# Altium PCB PCB SOM AM625.PcbDoc (part 6 of 6)
Units mm, origin at the board's own origin, x right, y up, seen from the top; angles counter-clockwise.
Board outline 92 x 91 mm, 6 copper layers (Top Layer, Layer 1, Layer 3, Layer 4, Layer 2, Bottom Layer), stack 1.56 mm thick; 479 components, 370 nets, 1722 pads, 744 vias.
Unrouted connection lines stored in the file: 13.
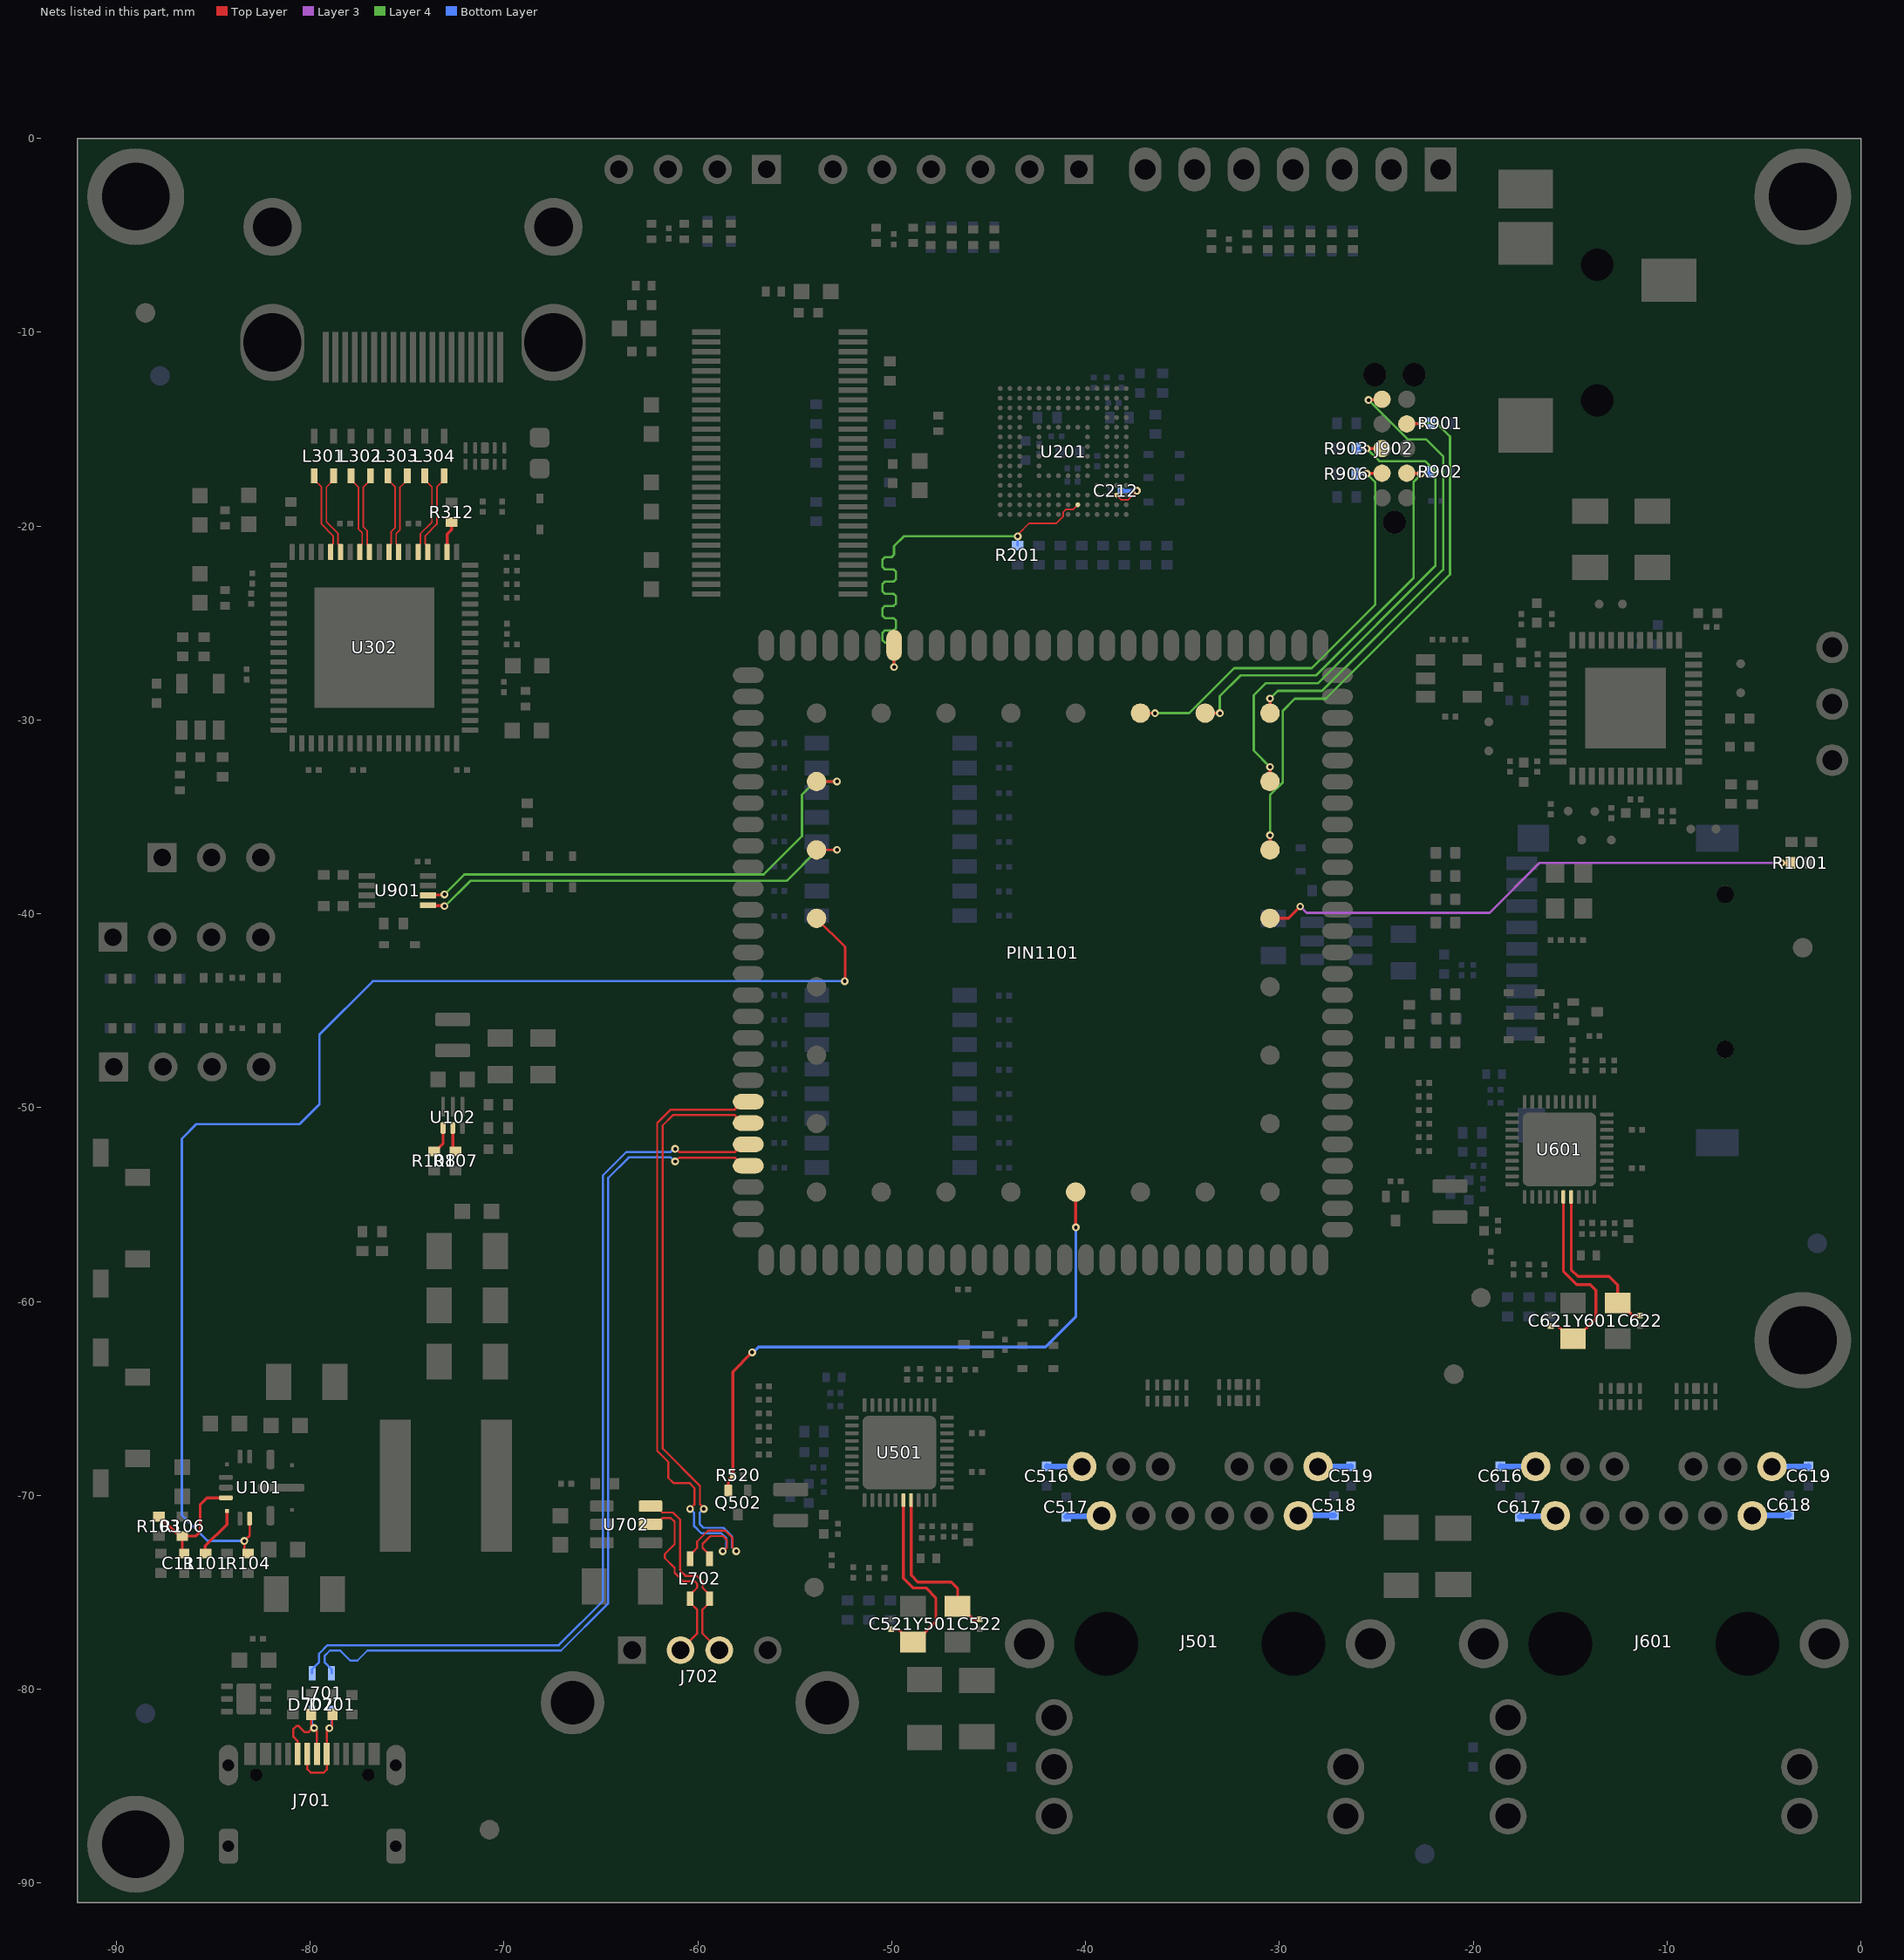
[diagram p10: the nets of this part, all layers, seen from the top]

## Via types
v1: diameter 0.4, hole 0.2, Top Layer to Bottom Layer, tented both sides, 699 vias
v2: diameter 0.8, hole 0.4, Top Layer to Bottom Layer, tented both sides, 41 vias
v3: diameter 0.6, hole 0.3, Top Layer to Bottom Layer, tented both sides, 4 vias

## Nets (pads, with @x,y where several pads share a name; then routed paths per layer and width w, separated by ;. In a path a pad name is that pad's centre, name@x,y a point inside that pad or via, vN(x,y) a via of type N, cw(c..) or ccw(c..) an arc to the next point about the centre after c; other vN are vias at no path point) (continued)
SOC_MMC0_DAT7: PIN1101.61 R201.1 U201.B6 | length 22.6
  Top Layer w0.08: v1(-43.5,-20.525) -43.5,-20.45 -42.907,-19.857 -41.51,-19.857 -41.148,-19.494 -41.148,-19.273 -41.02,-19.145 -40.645,-19.145 U201.B6@-40.4,-18.9
  Top Layer w0.15: v1(-49.879,-27.271) PIN1101.61@-49.879,-26.15
  Layer 4 w0.122: v1(-49.879,-27.271) -49.879,-26.198 -49.879,-26.137 -50.005,-26.011 -50.347,-26.011 -50.473,-25.885 -50.473,-25.507 -50.347,-25.381 -49.901,-25.381 -49.775,-25.255 -49.775,-24.877 -49.901,-24.751 -50.347,-24.751 -50.473,-24.625 -50.473,-24.247 -50.347,-24.121 -49.901,-24.121 -49.775,-23.995 -49.775,-23.617 -49.901,-23.491 -50.347,-23.491 -50.473,-23.365 -50.473,-22.987 -50.347,-22.861 -49.901,-22.861 -49.775,-22.735 -49.775,-22.357 -49.901,-22.231 -50.347,-22.231 -50.473,-22.105 -50.473,-21.727 -50.347,-21.601 -50.005,-21.601 -49.879,-21.475 -49.879,-21.137 -49.879,-21.029 -49.375,-20.525 v1(-43.5,-20.525)
  Bottom Layer w0.107: R201.1@-43.5,-21 v1(-43.5,-20.525)
SoC_TCK: J902.4 PIN1101.125 R901.1 | length 29
  Top Layer w0.15: PIN1101.125@-30.485,-36.705 PIN1101.125@-30.485,-36.705 -30.483,-35.954 v1(-30.482,-35.952) ; J902.4@-23.43,-14.73 -23.415,-14.715 -22.815,-14.715 v1@-22.8,-14.7
  Layer 4 w0.122: v1(-30.482,-35.952) -30.482,-33.882 -29.825,-33.225 -29.825,-29.525 -29.2,-28.9 -27.6,-28.9 -21.2,-22.5 -21.2,-15.375 -21.875,-14.7 v1(-22.67,-14.7)
  Bottom Layer w0.15: v1(-22.67,-14.7) R901.1@-22.2,-14.7
SoC_TDI: J902.8 PIN1101.124 R903.1 | length 27.2
  Top Layer w0.15: PIN1101.124@-30.485,-33.176 -30.483,-33.174 -30.483,-32.425 v1(-30.482,-32.423) ; v1(-25.5,-16) J902.8@-24.7,-16
  Layer 4 w0.122: v1(-30.482,-32.423) -31.325,-31.58 -31.325,-28.725 -30.7,-28.1 -28,-28.1 -21.95,-22.05 -21.95,-17.175 -22.475,-16.65 -24.85,-16.65 v1(-25.5,-16)
  Bottom Layer w0.15: R903.1@-26.03,-16 v1(-25.5,-16)
SoC_TDO: J902.6 PIN1101.123 | length 24.1
  Top Layer w0.15: PIN1101.123@-30.485,-29.647 PIN1101.123@-30.485,-29.647 -30.483,-28.896 v1(-30.482,-28.894) ; v1(-25.4,-13.5) -25.38,-13.48 -24.72,-13.48 J902.6@-24.7,-13.46
  Layer 4 w0.122: v1(-30.482,-28.894) -30.088,-28.5 -27.8,-28.5 -21.55,-22.25 -21.55,-16.4 -22.425,-15.525 -23.375,-15.525 v1(-25.4,-13.5)
SoC_TMS: J902.2 PIN1101.122 R902.1 | length 21
  Top Layer w0.15: PIN1101.122@-33.827,-29.647 -33.825,-29.648 -33.076,-29.648 v1(-33.074,-29.65) ; J902.2@-23.43,-17.27 -23.415,-17.285 -22.715,-17.285 v1(-22.7,-17.3)
  Layer 4 w0.122: v1(-33.074,-29.65) -33.074,-28.774 -32,-27.7 -28.1,-27.7 -23.075,-22.675 -23.075,-17.716 -22.7,-17.341 v1(-22.7,-17.3)
  Bottom Layer w0.15: v1(-22.7,-17.3) -22.3,-17.3 R902.1@-22.2,-17.2
SoC_TRST#: J902.9 PIN1101.121 R906.2 | length 22.7
  Top Layer w0.15: PIN1101.121@-37.169,-29.647 -37.167,-29.648 -36.418,-29.648 v1(-36.416,-29.65) ; v1(-25.5,-17.3) -25.485,-17.285 -24.715,-17.285 J902.9@-24.7,-17.27
  Layer 4 w0.122: v1(-36.416,-29.65) -34.65,-29.65 -32.325,-27.325 -28.325,-27.325 -25.05,-24.05 -25.05,-17.75 v1(-25.5,-17.3)
  Bottom Layer w0.15: R906.2@-26.03,-17.3 v1(-25.5,-17.3)
SWING: R312.1 U302.56 | length 1.6
  Top Layer w0.15: U302.56@-72.939,-21.334 -72.939,-20.409 -72.714,-20.184 R312.1@-72.714,-19.784
TCT1_0: C516.1 J501.12 | length 1.8
  Bottom Layer w0.3: C516.1@-42,-68.5 -41.993,-68.507 -40.202,-68.507 J501.12@-40.196,-68.513
TCT1_1: C517.1 J501.6 | length 1.8
  Bottom Layer w0.3: C517.1@-41,-71.1 -40.976,-71.076 -39.203,-71.076 J501.6@-39.18,-71.053
TCT1_2: C518.1 J501.1 | length 1.9
  Bottom Layer w0.3: J501.1@-29.02,-71.053 -29.006,-71.039 -27.189,-71.039 C518.1@-27.175,-71.025
TCT1_3: C519.1 J501.7 | length 1.7
  Bottom Layer w0.3: J501.7@-28.004,-68.513 -27.997,-68.507 -26.307,-68.507 C519.1@-26.3,-68.5
TCT2_0: C616.1 J601.12 | length 1.8
  Bottom Layer w0.3: C616.1@-18.6,-68.5 -18.594,-68.507 -16.784,-68.507 J601.12@-16.778,-68.513
TCT2_1: C617.1 J601.6 | length 1.9
  Bottom Layer w0.3: C617.1@-17.6,-71.1 -17.577,-71.076 -15.785,-71.076 J601.6@-15.762,-71.053
TCT2_2: C618.1 J601.1 | length 1.9
  Bottom Layer w0.3: J601.1@-5.602,-71.053 -5.575,-71.027 -3.727,-71.027 C618.1@-3.7,-71
TCT2_3: C619.1 J601.7 | length 1.9
  Bottom Layer w0.3: J601.7@-4.586,-68.513 -4.579,-68.507 -2.706,-68.507 C619.1@-2.7,-68.5
TS_INT: PIN1101.133 Q502.2 R520.1 | length 31.5
  Top Layer w0.15: Q502.2@-58.43,-69.75 -58.43,-69.21 ; -58.425,-69.21 R520.1@-58.19,-68.975 ; R520.1@-58.195,-68.97 -58.195,-63.62 v1(-57.2,-62.625) ; PIN1101.133@-40.511,-54.35 -40.505,-54.355 -40.505,-56.17 v1(-40.5,-56.175)
  Bottom Layer w0.15: v1(-57.2,-62.625) -57.149,-62.625 -56.874,-62.35 -42.075,-62.35 -40.5,-60.775 v1(-40.5,-56.175)
TX0_N: L303.4 U302.61 | length 4.2
  Top Layer w0.084: U302.61@-75.439,-21.334 -75.439,-21.049 -75.562,-20.927 -75.562,-20.378 -75.366,-20.182 -75.366,-19.086 -75.366,-17.991 -74.989,-17.614 L303.4@-74.989,-17.412
TX0_P: L303.1 U302.62 | length 4.2
  Top Layer w0.084: L303.1@-75.989,-17.412 -75.989,-17.614 -75.62,-17.984 -75.62,-20.077 -75.816,-20.273 -75.816,-20.926 -75.939,-21.049 U302.62@-75.939,-21.334
TX1_N: L302.4 U302.64 | length 4.2
  Top Layer w0.084: U302.64@-76.939,-21.334 -76.939,-21.049 -77.063,-20.926 -77.063,-20.242 -77.26,-20.044 -77.26,-17.985 -76.89,-17.614 L302.4@-76.89,-17.412
TX1_P: L302.1 U302.65 | length 4.2
  Top Layer w0.084: L302.1@-77.889,-17.412 -77.889,-17.614 -77.514,-17.989 -77.514,-20.149 -77.317,-20.347 -77.317,-20.927 -77.439,-21.049 U302.65@-77.439,-21.334
TX2_N: L301.4 U302.67 | length 4.4
  Top Layer w0.084: L301.4@-78.789,-17.412 -78.789,-17.614 -79.167,-17.992 -79.167,-19.79 -78.565,-20.392 -78.565,-20.924 -78.439,-21.049 U302.67@-78.439,-21.334
TX2_P: L301.1 U302.68 | length 4.4
  Top Layer w0.084: L301.1@-79.789,-17.412 -79.789,-17.614 -79.421,-17.983 -79.421,-19.895 -78.819,-20.497 -78.819,-20.928 -78.939,-21.049 U302.68@-78.939,-21.334
TXC_N: L304.4 U302.58 | length 4.4
  Top Layer w0.084: U302.58@-73.939,-21.334 -73.939,-21.049 -74.063,-20.926 -74.063,-20.499 -73.465,-19.902 -73.465,-18.946 -73.465,-17.99 -73.09,-17.614 L304.4@-73.09,-17.412
TXC_P: L304.1 U302.59 | length 4.4
  Top Layer w0.084: U302.59@-74.439,-21.334 -74.439,-21.049 -74.317,-20.926 -74.317,-20.394 -73.719,-19.796 -73.719,-17.985 -74.089,-17.614 L304.1@-74.089,-17.412
UART0_RX: PIN1101.115 U901.6 | length 25.8
  Top Layer w0.122: PIN1101.115@-53.878,-33.176 v1@-52.826,-33.176
  Top Layer w0.15: U901.6@-73.924,-39.05 -73.899,-39.025 -73.1,-39.025 v1(-73.075,-39)
  Layer 4 w0.122: v1(-73.075,-39) -72.05,-37.975 -56.6,-37.975 -54.625,-36 -54.625,-33.85 -53.95,-33.175 v1(-52.825,-33.175)
UART0_TX: PIN1101.114 U901.5 | length 23.4
  Top Layer w0.122: PIN1101.114@-53.879,-36.705 -53.876,-36.702 -52.827,-36.702 v1(-52.825,-36.7)
  Top Layer w0.15: U901.5@-73.924,-39.55 -73.899,-39.575 -73.1,-39.575 v1(-73.075,-39.6) v1@-73.025,-39.6
  Layer 4 w0.122: v1(-73.075,-39.6) -73.04,-39.6 -71.74,-38.3 -55.425,-38.3 -53.825,-36.7 v1(-52.825,-36.7)
USB0_N: L701.3 PIN1101.32 | length 47.2
  Top Layer w0.109: v1(-61.175,-52.125) -61.141,-52.125 -60.966,-52.3 -58.101,-52.3 -57.695,-51.894 PIN1101.32@-57.4,-51.894
  Bottom Layer w0.109: L701.3@-79.9,-79.173 -79.9,-78.97 -79.54,-78.609 -79.54,-78.165 -79.102,-77.727 -67.177,-77.727 -64.9,-75.45 -64.9,-53.5 -63.685,-52.285 -61.409,-52.285 -61.249,-52.125 v1(-61.175,-52.125)
USB0_P: L701.2 PIN1101.31 | length 47.2
  Top Layer w0.109: v1(-61.175,-52.775) -61.161,-52.775 -60.966,-52.579 -58.098,-52.579 -57.683,-52.994 PIN1101.31@-57.4,-52.994
  Bottom Layer w0.109: L701.2@-78.9,-79.173 -78.9,-78.97 -79.26,-78.609 -79.26,-78.28 -78.987,-78.007 -78.45,-78.007 -77.932,-78.525 -77.568,-78.525 -77.05,-78.007 -67.062,-78.007 -64.621,-75.566 -64.621,-53.616 -63.57,-52.565 -61.409,-52.565 -61.199,-52.775 v1(-61.175,-52.775)
USB1_N: L702.4 PIN1101.33 | length 33.2
  Top Layer w0.109: L702.4@-60.4,-73.273 -60.4,-73.07 -60.28,-72.95 -60.04,-72.71 -60.04,-72.384 -59.476,-71.821 -58.584,-71.821 -58.302,-72.102 -58.221,-72.184 -58.221,-72.679 v1@-58,-72.9 ; v1(-59.7,-70.7) -59.7,-70.655 -59.896,-70.46 -59.896,-69.509 -61.821,-67.584 -61.821,-50.916 -61.289,-50.384 -58.097,-50.384 -57.686,-50.794 PIN1101.33@-57.4,-50.794
  Bottom Layer w0.109: v1(-59.7,-70.7) -59.91,-70.91 -59.91,-71.475 -59.71,-71.675 -58.68,-71.675 -58.25,-72.105 -58.25,-72.673 -58.039,-72.885 v1(-58.022,-72.885)
USB1_P: L702.1 PIN1101.34 | length 33.2
  Top Layer w0.109: v1(-60.4,-70.7) -60.4,-70.691 -60.175,-70.466 -60.175,-69.625 -60.437,-69.362 -61.262,-69.362 -61.525,-69.1 -61.525,-68.275 -62.1,-67.7 -62.1,-50.8 -61.404,-50.104 -58.097,-50.104 -57.686,-49.694 PIN1101.34@-57.4,-49.694 ; L702.1@-59.4,-73.273 -59.4,-73.07 -59.52,-72.95 -59.76,-72.71 -59.76,-72.5 -59.36,-72.1 -58.7,-72.1 -58.5,-72.3 -58.5,-72.7 v1@-58.7,-72.9
  Bottom Layer w0.109: v1(-60.4,-70.7) -60.19,-70.91 -60.19,-71.591 -59.826,-71.954 -58.796,-71.954 -58.529,-72.221 -58.529,-72.675 -58.722,-72.868 v1(-58.722,-72.885)
USB_A_N: J702.2 L702.3 U702.5 | length 10
  Top Layer w0.109: U702.5@-62.445,-71.5 -62.14,-71.5 -61.906,-71.266 -61.906,-71.24 -61.831,-71.165 -61.4,-71.165 -61.2,-71.365 -61.2,-72.519 -61.707,-73.026 -61.707,-73.239 -61.2,-73.746 -61.2,-73.992 -60.76,-74.432 -60.163,-74.432 -60.04,-74.555 -60.04,-74.764 -60.28,-75.005 -60.4,-75.125 L702.3@-60.4,-75.327 -60.4,-75.53 -60.05,-75.88 -60.05,-77.14 J702.2@-60.9,-77.99
USB_A_P: J702.3 L702.2 U702.6 | length 10.1
  Top Layer w0.109: U702.6@-62.445,-70.55 -62.14,-70.55 -61.906,-70.784 -61.906,-70.81 -61.831,-70.885 -61.284,-70.885 -60.921,-71.249 -60.921,-73.876 -60.644,-74.153 -60.047,-74.153 -59.76,-74.44 -59.76,-74.764 -59.52,-75.005 -59.4,-75.125 L702.2@-59.4,-75.327 -59.4,-75.53 -59.771,-75.901 -59.771,-77.119 J702.3@-58.9,-77.99
USB_C_N: D702.2 J701.A7 J701.B7 L701.4 | length 5.7
  Top Layer w0.109: J701.B7@-80.65,-83.345 -80.655,-83.34 -80.655,-82.67 -80.867,-82.458 -80.867,-82.053 -80.718,-81.904 -80.587,-81.904 -80.271,-82.219 -80.098,-82.219 -79.879,-82 v1(-79.8,-82) ; D702.2@-79.95,-81.3 -79.95,-81.85 v1(-79.8,-82) ; J701.A7@-79.65,-83.345 -79.65,-82.15 v1(-79.8,-82)
  Bottom Layer w0.109: L701.4@-79.9,-81.227 -79.9,-81.821 -79.8,-81.921 v1(-79.8,-82)
USB_C_P: D701.2 J701.A6 J701.B6 L701.1 | length 5.7
  Top Layer w0.109: J701.A6@-80.15,-83.345 -80.15,-84.125 -79.975,-84.3 -79.3,-84.3 -79.141,-84.141 J701.B6@-79.141,-83.354 ; J701.B6@-79.15,-83.345 -79.15,-82.15 v1(-79.012,-82.012) -78.875,-81.875 -78.875,-81.325 D701.2@-78.85,-81.3
  Bottom Layer w0.109: v1(-79.012,-82.012) -79.012,-81.934 -78.9,-81.821 L701.1@-78.9,-81.227
VCC_1V8_EN: R108.1 U102.1 | length 1.4
  Top Layer w0.15: R108.1@-73.6,-52.25 -73.55,-52.25 -73.145,-51.845 U102.1@-73.145,-51.052
VCC_3V3_FB: C111.2 R103.1 R106.2 U101.4 | length 6.4
  Top Layer w0.15: R103.1@-87.8,-71.1 -87.75,-71.1 -86.925,-71.925 -86.775,-71.925 R106.2@-86.6,-72.1 ; C111.2@-86.6,-73 R106.2@-86.6,-72.1 ; U101.4@-84.35,-70.125 -85.325,-70.125 -85.675,-70.475 -85.675,-71.875 -85.9,-72.1 R106.2@-86.6,-72.1
VCC_5V0_EN: PIN1101.113 R104.1 U101.7 | length 68.7
  Top Layer w0.122: R104.1@-83.2,-73 -83.211,-73 -83.4,-72.811 v1(-83.4,-72.35) -83.125,-72.075 U101.7@-83.125,-71.2 ; PIN1101.113@-53.879,-40.234 -52.4,-41.713 -52.4,-43.45 v1(-52.425,-43.475)
  Bottom Layer w0.122: v1(-83.4,-72.35) -85.3,-72.35 -86.625,-71.025 -86.625,-51.6 -85.875,-50.85 -80.55,-50.85 -79.525,-49.825 -79.525,-46.225 -76.775,-43.475 v1(-52.425,-43.475)
VDD_1V8_PG: R107.1 U102.2 | length 1.3
  Top Layer w0.15: U102.2@-72.645,-51.052 -72.645,-52.105 R107.1@-72.5,-52.25
VDD_3V3_PG: R101.1 U101.5 | length 2.7
  Top Layer w0.15: R101.1@-85.5,-73 -85.413,-72.913 -85.413,-72.613 -84.3,-71.5 U101.5@-84.3,-70.8
VDDI: C212.1 U201.C2 | length 2.2
  Top Layer w0.08: U201.C2@-38.4,-18.4 -38.15,-18.65 -37.804,-18.65 -37.35,-18.196 v1(-37.35,-18.175)
  Bottom Layer w0.2: C212.1@-38.185,-18.175 v1(-37.35,-18.175)
WKUP_CLKOUT0: PIN1101.126 R1001.2 | length 28.3
  Top Layer w0.15: PIN1101.126@-30.485,-40.234 -29.534,-40.234 v1(-28.925,-39.625) ; v1(-4.1,-37.375) R1001.2@-3.625,-37.375
  Layer 3 w0.122: v1(-28.925,-39.625) -28.6,-39.95 -19.15,-39.95 -16.575,-37.375 v1(-4.1,-37.375)
XTAL_IN_GBE1: C521.1 U501.36 Y501.1 | length 10.4
  Top Layer w0.15: C521.1@-50.025,-76.915 -49.65,-76.915 -49.486,-77.079 -49.486,-77.117 -49.027,-77.575 -48.9,-77.575 -48.773,-77.575 -47.725,-76.527 -47.725,-75.275 -48.225,-74.775 -48.9,-74.775 -49.4,-74.275 U501.36@-49.4,-70.25
XTAL_IN_GBE2: C621.1 U601.36 Y601.1 | length 10.4
  Top Layer w0.15: C621.1@-16,-61.265 -15.637,-61.265 -14.977,-61.925 Y601.1@-14.85,-61.925 -14.723,-61.925 -13.68,-60.882 -13.67,-60.882 -13.67,-59.43 -13.97,-59.13 -14.67,-59.13 -15.345,-58.455 U601.36@-15.345,-54.605
XTAL_OUT_GBE1: C522.1 U501.37 Y501.3 | length 8.9
  Top Layer w0.15: U501.37@-49,-70.25 -49,-74.125 -48.65,-74.475 -46.925,-74.475 -46.6,-74.8 -46.6,-75.725 -46.141,-76.183 -46.004,-76.183 -45.803,-76.385 C522.1@-45.45,-76.385
XTAL_OUT_GBE2: C622.1 U601.37 Y601.3 | length 8.8
  Top Layer w0.15: U601.37@-14.945,-54.605 -14.945,-58.355 -14.6,-58.7 -13,-58.7 -12.545,-59.155 -12.545,-60.08 -12.086,-60.538 -11.949,-60.538 -11.748,-60.74 C622.1@-11.395,-60.74
pads on no net: FID1001.1 FID1002.1 FID1003.1 FID1004.1 FID1005.1 FID1006.1 FID1007.1 FID1008.1 J201. J301.14 J501. J601. J701. J701.A8 J701.B8 J801. J902. MH1001.1 MH1002.1 MH1003.1 MH1004.1 U201.A1 U201.A2 U201.A7 U201.A8 U201.A9 U201.A10 U201.A11 U201.A12 U201.A13 U201.A14 U201.B1 U201.B7 U201.B8 U201.B9 U201.B10 U201.B11 U201.B12 U201.B13 U201.B14 U201.C1 U201.C3 U201.C5 U201.C7 U201.C8 U201.C9 U201.C10 U201.C11 U201.C12 U201.C13 U201.C14 U201.D1 U201.D2 U201.D3 U201.D4 U201.D12 U201.D13 U201.D14 U201.E1 U201.E2 U201.E3 U201.E5 U201.E8 U201.E9 U201.E10 U201.E12 U201.E13 U201.E14 U201.F1 U201.F2 U201.F3 U201.F10 U201.F12 U201.F13 U201.F14 U201.G1 U201.G2 U201.G3 U201.G10 U201.G12 U201.G13 U201.G14 U201.H1 U201.H2 U201.H3 U201.H12 U201.H13 U201.H14 U201.J1 U201.J2 U201.J3 U201.J12 U201.J13 U201.J14 U201.K1 U201.K2 U201.K3 U201.K6 U201.K7 U201.K10 U201.K12 U201.K13 U201.K14 U201.L1 U201.L2 U201.L3 U201.L12 U201.L13 U201.L14 U201.M1 U201.M2 U201.M3 U201.M7 U201.M8 U201.M9 U201.M10 U201.M11 U201.M12 U201.M13 U201.M14 U201.N1 U201.N3 U201.N6 U201.N7 U201.N8 U201.N9 U201.N10 U201.N11 U201.N12 U201.N13 U201.N14 U201.P1 U201.P2 U201.P7 U201.P8 U201.P9 U201.P10 U201.P11 U201.P12 U201.P13 U201.P14 U202.4 U302.37 U302.38 U302.39 U302.40 U302.41 U302.44 U302.45 U302.50 U801.9 U801.10 U801.11 U801.27 U801.28 U801.29 U801.30 U801.31 U801.32

## Polygon pours and split planes (outlines as drawn)
+VDD_1V8 on Top Layer "+VDD_1V8_L01_P144" (solid, pour order 144): -18.45,-32.5 -18.625,-32.675 -18.625,-33.125 -18.525,-33.225 -18.275,-33.225 -17.875,-32.825 -17.875,-32.575 -17.95,-32.5
+VDD_1V8 on Top Layer "+VDD_1V8_L01_P143" (solid, pour order 143): -25.25,-45.75 -25.6,-46.1 -25.6,-46.7 -25.3,-47 -24.1,-47 -24,-46.9 -24,-46 -24.25,-45.75
+VDD_3V3 on Top Layer "+VDD_3V3_L01_P136" (solid, pour order 136): -47.2,-13.7 -47.1,-13.8 -47.1,-14.3 -47.3,-14.5 -48,-14.5 -48.1,-14.4 -48.1,-13.8 -48,-13.7
AGND_AUD on Top Layer "AGND_AUD_L01_P089" (solid, pour order 89): -18.5,-0.5 -19,-1 -19,-25.75 -17.75,-27 -17.75,-30.75 -16.5,-32 -4.5,-32 -3,-33.5 -1,-33.5 -0.5,-33 -0.5,-7.5 -1.5,-6.5 -6,-6.5 -8,-4.5 -8,-1 -8.5,-0.5
GND on Top Layer "GND_L01_P126" (solid, pour order 126): -24.25,-69.75 -20.5,-69.75 -20,-70.25 -20,-72.25 -20.25,-72.5 -24.5,-72.5 -24.75,-72.25 -24.75,-70.25
GND_E on Top Layer "GND_E_L01_P125" (solid, pour order 125): -1,-74 -0.25,-74.75 -0.25,-78.5 -1.25,-79.5 -42.9,-79.5 -42.9,-75.15 -41.75,-74
GND on Top Layer "GND_L01_P123" (solid, pour order 123): -49.25,-81.75 -44.75,-81.75 -44.5,-82 -44.5,-84 -44.75,-84.25 -49.25,-84.25 -49.5,-84 -49.5,-82
GND_E on Top Layer "GND_E_L01_P122" (solid, pour order 122): -49.25,-78.75 -45,-78.75 -44.25,-78 -44.25,-76.5 -42.45,-74.7 -41.5,-74.7 -41.5,-78.75 -43,-80.25 -49.25,-80.25 -49.5,-80 -49.5,-79
+VSYS_5V on Top Layer "+VSYS_5V_L01_P118" (solid, pour order 118): -80.9,-52.9 -77.1,-49.1 -77.1,-44.5 -75.1,-42.5 -67.5,-42.5 -65.875,-40.875 -65.875,-22.325 -67.7,-20.5 -68.3,-20.5 -68.4,-20.4 -68.4,-19.9 -68.3,-19.8 -66.4,-19.8 -64.4,-21.8 -64.4,-41.3 -67.275,-44.175 -73.775,-44.175 -75.2,-45.6 -75.2,-52.5 -75.6,-52.9
GND on Top Layer "GND_L01_P081" (solid, pour order 81): -53,-24.1 -51.2,-24.1 -50.575,-24.725 -50.575,-27.983 -49.983,-28.575 -49.983,-29.9 -50.258,-30.175 -50.908,-30.175 -52.458,-28.625 -52.458,-27.4 -52.858,-27 -53.325,-27 -53.575,-26.75 -53.575,-24.675
+VDD_3V3 on Top Layer "+VDD_3V3_L01_P117" (solid, pour order 117): -70.8,-54.5 -68.3,-52 -63.8,-47.5 -63.8,-28.6 -60.5,-25.3 -56.8,-25.3 -56.8,-27 -58.7,-27 -61,-29.3 -61,-48.641 -66.559,-54.2 -67.5,-55.2
PHY1_VDD1V0 on Top Layer "PHY1_VDD1V0_L01_P116" (solid, pour order 116): -54.305,-70.945 -54.205,-71.045 -54.205,-71.545 -54.005,-71.745 -53.105,-71.745 -52.905,-71.945 -52.905,-72.545 -53.105,-72.745 -55.005,-72.745 -56.205,-71.545 -56.205,-71.045 -56.105,-70.945
+1V2_HDMI_CVCC on Top Layer "+1V2_HDMI_CVCC_L01_P110" (solid, pour order 110): -84.7,-23.8 -85,-24.1 -85,-25 -84.9,-25.1 -84.4,-25.1 -84.1,-24.8 -84.1,-23.9 -84.2,-23.8
PHY2_VDD1V0 on Top Layer "PHY2_VDD1V0_L01_P095" (solid, pour order 95): -20.3,-55.3 -20.2,-55.4 -20.2,-55.9 -20,-56.1 -19.1,-56.1 -18.9,-56.3 -18.9,-56.9 -19.1,-57.1 -21,-57.1 -22.2,-55.9 -22.2,-55.4 -22.1,-55.3
+VDD_3V3_OLDI on Top Layer "+VDD_3V3_OLDI_L01_P083" (solid, pour order 83): -62.6,-7.3 -62.2,-7.3 -61.7,-7.8 -61.7,-10.3 -62.2,-10.8 -62.7,-10.8 -63,-10.5 -63,-9.4 -62.7,-9.1 -62.7,-7.4
GND on Top Layer "GND_L01_P082" (solid, pour order 82): -63.2,-8.3 -63.1,-8.4 -63.1,-9 -63.5,-9.4 -63.5,-10.5 -63.2,-10.8 -63.2,-11.2 -63.3,-11.3 -64,-11.3 -64.9,-10.4 -64.9,-8.9 -64.3,-8.3
+VDD_3V3 on Top Layer "+VDD_3V3_L01_P080" (solid, pour order 80): -56.8,-25.3 -54.1,-25.3 -53.875,-25.525 -53.875,-28.025 -53.325,-28.575 -53.325,-29.9 -53.6,-30.175 -54.25,-30.175 -55.8,-28.625 -55.8,-27.4 -56.2,-27 -56.8,-27 -57,-26.8 -57,-25.5
+VSYS_5V on Top Layer "+VSYS_5V_L01_P079" (solid, pour order 79): -73.1,-48.1 -75.2,-48.1 -75.2,-52.5 -75.6,-52.9 -80.9,-52.9 -82.35,-54.35 -82.35,-61.277 -80.5,-61.277 -80.5,-55.5 -78.6,-53.6 -72.3,-53.6 -72.1,-53.4 -72.1,-53 -72.2,-52.9 -74,-52.9 -74.4,-52.5 -74.4,-49.4 -74,-49 -73.1,-49 -73,-48.9 -73,-48.2
GND on Top Layer "GND_L01_P077" (solid, pour order 77): -70.1,-49 -70.1,-50.2 -70,-50.3 -69.5,-50.3 -69.4,-50.2 -69.4,-49
GND on Top Layer "GND_L01_P076" (solid, pour order 76): -66.9,-47.7 -71.9,-47.7 -72.3,-48.1 -72.3,-50.4 -72.2,-50.5 -71.9,-50.5 -71.7,-50.3 -71.7,-49.3 -71.4,-49 -66.9,-49 -66.7,-48.8 -66.7,-47.9
GND on Top Layer "GND_L01_P075" (solid, pour order 75): -90.3,-68.5 -89.8,-69 -89.8,-70.6 -90.1,-70.9 -91.4,-70.9 -91.7,-70.6 -91.7,-68.8 -91.4,-68.5
GND on Top Layer "GND_L01_P074" (solid, pour order 74): -91.2,-58.2 -90.3,-58.2 -90.1,-58.4 -90.1,-61.4 -88.2,-63.3 -88.2,-64.4 -88.3,-64.5 -91.2,-64.5 -91.4,-64.3 -91.4,-58.4
GND on Top Layer "GND_L01_P073" (solid, pour order 73): -91.5,-51.4 -91.2,-51.1 -88.5,-51.1 -88.2,-51.4 -88.2,-54.1 -88.3,-54.2 -91.3,-54.2 -91.5,-54
+5V_USB_A on Top Layer "+5V_USB_A_L01_P072" (solid, pour order 72): -62.375,-72.1 -62.15,-72.325 -62.15,-77.05 -62.7,-77.6 -63.3,-77.6 -63.5,-77.4 -63.5,-72.5 -63.1,-72.1
+VSYS_5V on Top Layer "+VSYS_5V_L01_P071" (solid, pour order 71): -80.7,-77.5 -70,-77.5 -68.3,-75.8 -68.3,-72.8 -67.6,-72.1 -64.4,-72.1 -64.3,-72.2 -64.3,-72.7 -64.6,-73 -67.2,-73 -67.6,-73.4 -67.6,-76.2 -69.6,-78.2 -81.2,-78.2 -81.2,-78
+VDD_3V3_AUD on Top Layer "+VDD_3V3_AUD_L01_P070" (solid, pour order 70): -16,-24.9 -15.8,-25.1 -15.8,-25.6 -16.4,-26.2 -17.7,-26.2 -17.8,-26.1 -17.8,-25 -17.7,-24.9
GND on Top Layer "GND_L01_P069" (solid, pour order 69): -17,-32.9 -16.9,-32.8 -16.9,-32.55 -16.85,-32.5 -16.5,-32.5 -16.325,-32.675 -16.325,-33.15 -16.675,-33.5 -17.6,-33.5 -17.675,-33.425 -17.675,-32.975 -17.6,-32.9
+VSYS_5V on Top Layer "+VSYS_5V_L01_P068" (solid, pour order 68): -82.4,-70.5 -81.8,-70.5 -81.7,-70.6 -81.7,-73.5 -80.7,-74.5 -80.7,-78.2 -82,-79.5 -82,-82.8 -82.6,-82.8 -82.6,-70.7
GND on Top Layer "GND_L01_P067" (solid, pour order 67): -53.6,-7.4 -52.4,-7.4 -52.2,-7.6 -52.2,-8.6 -52.9,-9.3 -54,-9.3 -54.1,-9.2 -54.1,-8.7 -53.7,-8.3 -53.7,-7.5
GND on Top Layer "GND_L01_P058" (solid, pour order 58): -14.02,-55.78 -13.695,-55.78 -13.67,-55.805 -13.67,-56.255 -13.62,-56.305 -12.545,-56.305 -12.52,-56.33 -12.52,-56.83 -12.795,-57.105 -13.62,-57.105 -14.045,-56.68 -14.045,-55.805
GND on Top Layer "GND_L01_P057" (solid, pour order 57): -19.72,-55.08 -18.695,-55.08 -18.395,-55.38 -18.395,-55.83 -18.545,-55.98 -18.87,-55.98 -19.22,-55.63 -19.695,-55.63 -19.77,-55.555 -19.77,-55.13
REG_OUT2 on Top Layer "REG_OUT2_L01_P056" (solid, pour order 56): -21.545,-54.405 -18.445,-54.405 -17.995,-53.955 -17.995,-53.855 -18.345,-53.855 -18.545,-54.055 -19.945,-54.055 -20.295,-53.705 -21.545,-53.705
GND on Top Layer "GND_L01_P051" (solid, pour order 51): -48.075,-71.425 -47.75,-71.425 -47.725,-71.45 -47.725,-71.9 -47.675,-71.95 -46.6,-71.95 -46.575,-71.975 -46.575,-72.475 -46.85,-72.75 -47.675,-72.75 -48.1,-72.325 -48.1,-71.45
GND on Top Layer "GND_L01_P050" (solid, pour order 50): -53.775,-70.725 -52.75,-70.725 -52.45,-71.025 -52.45,-71.475 -52.6,-71.625 -52.925,-71.625 -53.275,-71.275 -53.75,-71.275 -53.825,-71.2 -53.825,-70.775
REG_OUT1 on Top Layer "REG_OUT1_L01_P049" (solid, pour order 49): -55.6,-70.05 -52.5,-70.05 -52.05,-69.6 -52.05,-69.5 -52.4,-69.5 -52.6,-69.7 -54,-69.7 -54.35,-69.35 -55.6,-69.35
GND on Top Layer "GND_L01_P044" (solid, pour order 44): -67.7,-30.1 -67.6,-30.2 -67.6,-31.3 -67.7,-31.4 -68.5,-31.4 -68.6,-31.3 -68.6,-30.2 -68.5,-30.1
+VDD_3V3 on Top Layer "+VDD_3V3_L01_P043" (solid, pour order 43): -69.2,-30.1 -69.1,-30.2 -69.1,-31.3 -69.2,-31.4 -70,-31.4 -70.1,-31.3 -70.1,-30.2 -70,-30.1
GND on Top Layer "GND_L01_P041" (solid, pour order 41): -86.2,-22 -85.8,-21.6 -83.8,-21.6 -83.4,-22 -83.4,-22.55 -82.99,-22.961 -82.99,-23.425 -83.215,-23.65 -83.75,-23.65 -83.9,-23.5 -83.9,-23 -84,-22.9 -86.1,-22.9 -86.2,-22.8
GND on Top Layer "GND_L01_P039" (solid, pour order 39): -86,-18.2 -85.9,-18.1 -82.9,-18.1 -82.8,-18.2 -82.8,-18.8 -83.5,-18.8 -85.3,-18.8 -86,-18.8
GND on Top Layer "GND_L01_P038" (solid, pour order 38): -87.75,-28.875 -86.175,-28.875 -85.775,-28.475 -85.775,-26.925 -85.175,-26.925 -85.175,-27.45 -85.3,-27.575 -85.3,-32.425 -85.5,-32.625 -85.825,-32.625 -86.025,-32.425 -86.025,-29.775 -86.425,-29.375 -87.75,-29.375
GND on Top Layer "GND_L01_P036" (solid, pour order 36): -82.8,-82.8 -82.8,-76.7 -83.4,-76.1 -84.706,-76.106 -85.9,-77.3 -85.9,-80.3 -83.4,-82.8
+VDD_3V3 on Top Layer "+VDD_3V3_L01_P035" (solid, pour order 35): -70.8,-54.5 -71.3,-55 -71.3,-72.9 -70.9,-73.3 -69.6,-73.3 -69.2,-72.9 -69.2,-69.1 -67.5,-67.4 -67.5,-55.2 -68.2,-54.5
GND on Top Layer "GND_L01_P034" (solid, pour order 34): -81.1,-66.1 -79.5,-64.5 -79.5,-62.6 -79,-62.1 -75.4,-62.1 -74.8,-61.5 -74.8,-55.4 -73.9,-54.5 -72,-54.5 -71.7,-54.8 -71.7,-56.2 -72,-56.5 -72,-74.4 -74.8,-77.2 -79.7,-77.2 -80,-76.9 -80,-74.2 -81.1,-73.1 -81.1,-70.64 -81.01,-70.55 -80.143,-70.55 -79.4,-71.293 -79.4,-73.203 -78.603,-74 -74.5,-74 -73.9,-73.4 -73.9,-65.7 -74.4,-65.2 -77.4,-65.2 -79.4,-67.2 -79.4,-67.913 -80.137,-68.65 -80.97,-68.65 -81.1,-68.52
GND on Top Layer "GND_L01_P033" (solid, pour order 33): -64.7,-73.7 -66.9,-73.7 -67.1,-73.9 -67.1,-75.5 -66.9,-75.7 -64.7,-75.7 -64.5,-75.5 -64.5,-73.9
GND on Top Layer "GND_L01_P032" (solid, pour order 32): -67.1,-69.7 -65.6,-71.2 -64.4,-71.2 -64.3,-71.3 -64.3,-71.7 -64.4,-71.8 -68,-71.8 -68.4,-71.4 -68.4,-70.3 -67.8,-69.7
+VDD_1V8 on Top Layer "+VDD_1V8_L01_P031" (solid, pour order 31): -66.2,-46.65 -66.2,-45.35 -66.65,-44.9 -73.35,-44.9 -73.6,-45.15 -73.6,-45.85 -73.3,-46.15 -71.6,-46.15 -70.7,-47.05 -66.6,-47.05
AGND_AUD on Top Layer "AGND_AUD_L01_P030" (solid, pour order 30): -18.7,-4.3 -18.9,-4.5 -18.9,-6.5 -18.3,-7.1 -16.1,-7.1 -15.7,-6.7 -15.7,-4.5 -15.9,-4.3
+VSYS_5V on Top Layer "+VSYS_5V_L01_P006" (solid, pour order 6): -81.75,-68.65 -81.4,-68.3 -81.4,-65.5 -80.5,-64.6 -80.5,-61 -80.9,-60.6 -81.9,-60.6 -82.35,-61.05 -82.35,-68.45 -82.15,-68.65
+VDD_3V3 on Top Layer "+VDD_3V3_L01_P007" (solid, pour order 7): -83.901,-68.508 -83.9,-67.587 -83.962,-67.525 -84.475,-67.525 -84.625,-67.375 -84.975,-67.375 -85.1,-67.5 -85.1,-68.4 -84.95,-68.55 -83.943,-68.55
LM61460_SW on Top Layer "LM61460_SW_L01_P012" (solid, pour order 12): -82.8,-69.5 -82.4,-69.1 -79.7,-69.1 -76.8,-66.2 -76.5,-65.9 -75,-65.9 -74.8,-66.1 -74.8,-72.9 -75,-73.1 -76.7,-73.1 -79.7,-70.1 -82.4,-70.1 -82.8,-69.7
NetC116_1 on Top Layer "NETC116_1_L01_P022" (solid, pour order 22): -86.95,-30 -86.35,-30 -86.275,-30.075 -86.275,-32.925 -86.4,-33.05 -86.95,-33.05 -87.025,-32.975 -87.025,-30.075
+VDD_1V2 on Top Layer "+VDD_1V2_L01_P027" (solid, pour order 27): -87.6,-24.8 -87.3,-24.5 -86.2,-24.5 -85.8,-24.1 -85.8,-23.8 -86.2,-23.4 -87.4,-23.4 -87.6,-23.2 -87.6,-20.6 -87.4,-20.4 -84.2,-20.4 -84.1,-20.3 -84.1,-19.8 -84.2,-19.7 -85,-19.7 -85.3,-19.4 -87.8,-19.4 -88.3,-19.9 -88.3,-28 -88.175,-28.125 -87.725,-28.125 -87.6,-28
+VDD_3V3_HDMI on Layer 3 "+VDD_3V3_HDMI_L03_P146" (solid, pour order 146): -79.925,-33.5 -79.925,-32.8 -80,-32.725 -80.275,-32.725 -80.375,-32.825 -80.375,-33.5
+VDD_1V8 on Layer 3 "+VDD_1V8_L03_P145" (solid, pour order 145): -24.05,-45.75 -25.25,-45.75 -25.6,-46.1 -25.6,-46.525 -25.475,-46.65 -25.225,-46.65 -24.825,-46.25 -24.025,-46.25 -23.95,-46.175 -23.95,-45.85
+VDD_3V3 on Layer 3 "+VDD_3V3_L03_P133" (solid, pour order 133): -69.6,-57.75 -69.6,-50.75 -68.825,-49.975 -55.475,-49.975 -44.5,-39 -44.5,-34 -33,-22.5 -33,-11.5 -35,-9.5 -57.75,-9.5 -59.5,-7.75 -63.5,-7.75 -63.75,-7.5 -63.75,-5 -62.5,-3.75 -23.25,-3.75 -20.25,-6.75 -20.25,-28.25 -31.9,-39.9 -39.9,-39.9 -57.75,-57.75 -67.5,-57.75
+VDD_3V3 on Layer 3 "+VDD_3V3_L03_P134" (solid, pour order 134): -20.335,-23.9 -17.8,-23.9 -17.7,-24 -17.7,-24.4 -17.8,-24.5 -20.335,-24.5
+VDD_3V3_AUD on Layer 3 "+VDD_3V3_AUD_L03_P087" (solid, pour order 87): -17.95,-24.7 -11.05,-24.7 -10.75,-25 -10.75,-35.5 -11,-35.75 -12.5,-35.75 -13,-35.25 -13,-33.5 -15,-31.5 -15,-27.75 -15.5,-27.25 -18.75,-27.25 -19,-27 -19,-25.75
+AVDD1_2_GBE on Layer 3 "+AVDD1_2_GBE_L03_P101" (solid, pour order 101): -47.28,-63.435 -46.28,-63.435 -45.78,-63.935 -45.78,-71.935 -46.28,-72.435 -47.28,-72.435 -47.78,-71.935 -47.78,-63.935
+VDD_3V3 on Layer 3 "+VDD_3V3_L03_P119" (solid, pour order 119): -68.75,-55 -68.75,-31.25 -69,-31 -70,-31 -70.25,-31.25 -70.25,-32.75 -73,-35.5 -90.25,-35.5 -91.25,-36.5 -91.25,-53.5 -87,-57.75 -69.5,-57.75 -69.5,-55.75
PHY1_VDD1V0 on Layer 3 "PHY1_VDD1V0_L03_P104" (solid, pour order 104): -53.825,-63.175 -53.175,-63.175 -53.05,-63.3 -53.05,-72.05 -51.732,-73.368 -48.432,-73.368 -48.25,-73.55 -48.25,-74.175 -48.525,-74.45 -52.45,-74.45 -55.15,-71.75 -55.15,-64.5
+VDD_3V3 on Layer 3 "+VDD_3V3_L03_P120" (solid, pour order 120): -87.25,-33.75 -86.25,-33.75 -86,-34 -86,-35.5 -87.5,-35.5 -87.5,-34
+VDD_3V3_HDMI on Layer 3 "+VDD_3V3_HDMI_L03_P114" (solid, pour order 114): -82.75,-22 -82.75,-22.25 -83.25,-22.75 -84.75,-22.75 -86,-24 -86,-30.25 -82.75,-33.5 -73.7,-33.5 -72.6,-32.4 -72.6,-31 -71.4,-29.8 -70,-29.8 -69.21,-29.01 -69.21,-22.71 -68.75,-22.25 -67.75,-22.25 -67.5,-22.5 -67.5,-29.855 -68.245,-30.6 -70.1,-30.6 -70.9,-31.4 -70.9,-32.9 -72.25,-34.25 -83.25,-34.25 -86.75,-30.75 -86.75,-23.75 -84.75,-21.75 -83,-21.75
+1V2_HDMI_CVCC on Layer 3 "+1V2_HDMI_CVCC_L03_P112" (solid, pour order 112): -85.325,-24.025 -85.325,-24.675 -84.725,-25.275 -82.525,-25.275 -82,-25.8 -82,-29 -81,-30 -78.775,-30 -78.225,-30.55 -78.225,-32.875 -77.875,-33.225 -77.025,-33.225 -76.675,-32.875 -76.675,-30.45 -75.4,-29.175 -69.725,-29.175 -69.35,-28.8 -69.35,-22.725 -70.1,-21.975 -82.225,-21.975 -83.875,-23.625 -84.925,-23.625
+VDD_1V8 on Layer 3 "+VDD_1V8_L03_P106" (solid, pour order 106): -67.75,-43.15 -65.6,-41 -53,-41 -51.5,-39.5 -51.5,-30.25 -40.425,-19.175 -40.425,-11.5 -39.925,-11 -36.25,-11 -35,-12.25 -35,-20.25 -48.8,-34.05 -48.8,-41.5 -50.55,-43.25 -65.25,-43.25 -66.25,-44.25 -66.25,-46 -66.5,-46.25 -67.5,-46.25 -67.75,-46
+AVDD2_2_GBE on Layer 3 "+AVDD2_2_GBE_L03_P092" (solid, pour order 92): -13,-47.5 -12,-47.5 -11.5,-48 -11.5,-56 -12,-56.5 -13,-56.5 -13.5,-56 -13.5,-48
+VDD_3V3_OLDI on Layer 3 "+VDD_3V3_OLDI_L03_P091" (solid, pour order 91): -63.4,-23.3 -63.2,-23.5 -62.6,-23.5 -62,-22.9 -62,-11.5 -61.5,-11 -61.5,-8.5 -61.75,-8.25 -62.5,-8.25 -62.75,-8.5 -62.75,-10.75 -63.4,-11.4
+VSYS_5V on Layer 3 "+VSYS_5V_L03_P008" (solid, pour order 8): -80.1,-61.5 -80.75,-60.85 -82.15,-60.85 -82.9,-61.6 -82.9,-77.7 -82.6,-78 -80.5,-78 -80.1,-77.6
GND on Bottom Layer "GND_L06_P152" (solid, pour order 152): -19.7,-25.7 -18,-27.4 -18,-31.7 -19.9,-31.7 -20.1,-31.5 -20.1,-25.7
GND on Bottom Layer "GND_L06_P151" (solid, remove dead copper, pour order 151): -20,-0.5 -19.5,-1 -19.5,-30 -17,-32.5 -4.75,-32.5 -3.25,-34 -1,-34 -0.5,-34.5 -0.5,-90 -1,-90.5 -90.75,-90.5 -91.5,-89.75 -91.5,-1 -91,-0.5
+VDD_1V8 on Bottom Layer "+VDD_1V8_L06_P142" (solid, pour order 142): -67.4,-44.9 -61.9,-44.9 -57.7,-49.1 -57.7,-52.4 -56.1,-54 -26.9,-54 -25.6,-52.7 -25.6,-46.1 -25.25,-45.75 -24.25,-45.75 -23.9,-46.1 -23.9,-53.15 -26.25,-55.5 -56.4,-55.5 -59.4,-52.5 -59.4,-49.7 -63,-46.1 -67.4,-46.1 -67.75,-45.75 -67.75,-45.25
GND on Bottom Layer "GND_L06_P141" (solid, pour order 141): -15.5,-50 -15.1,-50.4 -15.1,-51.4 -15.4,-51.7 -17.7,-51.7 -17.9,-51.5 -17.9,-50.2 -17.7,-50
+VDD_3V3 on Bottom Layer "+VDD_3V3_L06_P140" (solid, pour order 140): -30.3,-41.6 -30.7,-41.6 -31.7,-40.6 -31.7,-39.3 -32.1,-38.9 -32.6,-38.9 -33.1,-39.4 -33.1,-40.3 -31.25,-42.15 -30.3,-42.15
GND on Bottom Layer "GND_L06_P139" (solid, pour order 139): -5.9,-35.3 -5.5,-35.7 -5.5,-36.7 -5.8,-37 -8.4,-37 -8.65,-36.75 -8.65,-35.55 -8.4,-35.3
GND on Bottom Layer "GND_L06_P138" (solid, pour order 138): -5.9,-51 -5.5,-51.4 -5.5,-52.9 -5.8,-53.2 -7.9,-53.2 -8.65,-52.45 -8.65,-51.25 -8.4,-51
AGND_AUD on Bottom Layer "AGND_AUD_L06_P086" (solid, pour order 86): -18.5,-0.5 -19,-1 -19,-25.75 -17.75,-27 -17.75,-30.75 -16.5,-32 -4.5,-32 -3,-33.5 -1,-33.5 -0.5,-33 -0.5,-7.5 -1.5,-6.5 -6,-6.5 -8,-4.5 -8,-1 -8.5,-0.5
+VDD_3V3 on Bottom Layer "+VDD_3V3_L06_P115" (solid, pour order 115): -46,-71.5 -45.5,-72 -45.5,-73.25 -45.803,-73.553 -55.697,-73.553 -57,-72.25 -57,-70.25 -56.5,-69.75 -55.25,-69.75 -55,-70 -55,-71 -54.5,-71.5 -48,-71.5
+VDD_3V3 on Bottom Layer "+VDD_3V3_L06_P132" (solid, pour order 132): -12.054,-55.898 -11.554,-56.398 -11.554,-57.648 -11.858,-57.951 -21.751,-57.951 -23.054,-56.648 -23.054,-54.648 -22.554,-54.148 -21.304,-54.148 -21.054,-54.398 -21.054,-55.398 -20.554,-55.898 -14.054,-55.898
PHY1_VDD1V0 on Bottom Layer "PHY1_VDD1V0_L06_P103" (solid, pour order 103): -53.175,-63.175 -53.725,-63.175 -53.925,-63.375 -53.925,-64.075 -53.755,-64.245 -53.155,-64.245 -53.055,-64.145 -53.055,-63.295
PHY2_VDD1V0 on Bottom Layer "PHY2_VDD1V0_L06_P094" (solid, pour order 94): -19.1,-48 -20.2,-48 -20.4,-48.2 -20.4,-48.7 -20.3,-48.8 -19.9,-48.8 -19.7,-48.6 -19.1,-48.6 -19,-48.5 -19,-48.1
DVDD10_2 on Bottom Layer "DVDD10_2_L06_P054" (solid, pour order 54): -18.695,-48.005 -18.295,-48.005 -18.195,-48.105 -18.195,-50.105 -18.395,-50.305 -18.67,-50.305 -18.745,-50.23 -18.745,-48.055
GND on Bottom Layer "GND_L06_P064" (solid, pour order 64): -19.775,-42.175 -19.9,-42.05 -20.95,-42.05 -21.2,-41.8 -21.4,-41.6 -21.85,-41.6 -22.9,-40.55 -22.9,-39.8 -23.7,-39 -26.525,-39 -27.3,-39.775 -27.3,-40.7 -27.7,-41.1 -27.7,-41.7 -26.9,-41.7 -26.7,-41.5 -26.7,-40.1 -26.5,-39.9 -24.6,-39.9 -24.3,-40.2 -24.3,-41.5 -24.1,-41.7 -22.8,-41.7 -22.125,-42.375 -21.325,-42.375 -20.9,-42.8 -19.825,-42.8 -19.775,-42.75
+VDD_1V8 on Bottom Layer "+VDD_1V8_L06_P066" (solid, pour order 66): -39.8,-11.3 -36.2,-11.3 -35.7,-11.8 -35.7,-12.4 -35.8,-12.5 -39.9,-12.5 -40.2,-12.2 -40.2,-11.7
+VDD_3V3 on Bottom Layer "+VDD_3V3_L06_P065" (solid, pour order 65): -41.7,-15.1 -41.6,-15.2 -41.6,-15.7 -41.8,-15.9 -43.3,-15.9 -43.4,-15.8 -43.4,-15.2 -43.3,-15.1
GND on Bottom Layer "GND_L06_P063" (solid, pour order 63): -28.9,-41.1 -29.5,-40.5 -29.5,-39.5 -29.8,-39.2 -30.9,-39.2 -31.2,-39.5 -31.2,-40.6 -30.9,-40.9 -29.8,-40.9 -29,-41.7 -27.7,-41.7 -27.6,-41.6 -27.6,-41.2 -27.7,-41.1
+VDD_3V3 on Bottom Layer "+VDD_3V3_L06_P062" (solid, pour order 62): -29.3,-42 -29.7,-41.6 -30.9,-41.6 -31,-41.7 -31,-42.6 -30.9,-42.7 -27.7,-42.7 -27.6,-42.6 -27.6,-42.1 -27.7,-42
+VDD_3V3_SD on Bottom Layer "+VDD_3V3_SD_L06_P061" (solid, pour order 61): -18.7,-42.5 -19.2,-43 -22.1,-43 -23.1,-42 -26.3,-42 -26.4,-42.1 -26.4,-43.2 -26.2,-43.4 -16.7,-43.4 -16.6,-43.3 -16.6,-42.6 -16.7,-42.5
GND on Bottom Layer "GND_L06_P055" (solid, pour order 55): -19.07,-48.805 -19.595,-48.805 -19.72,-48.93 -19.72,-49.605 -19.37,-49.955 -18.995,-49.955 -18.945,-49.905 -18.945,-48.93
GND on Bottom Layer "GND_L06_P053" (solid, pour order 53): -20.77,-52.33 -21.1,-52.66 -21.1,-52.9 -20.92,-53.08 -20.085,-53.08 -19.935,-52.93 -19.945,-52.92 -19.945,-52.63 -20.245,-52.33
GND on Bottom Layer "GND_L06_P052" (solid, pour order 52): -19.27,-54.255 -19.045,-54.48 -19.045,-54.88 -19.17,-55.005 -20.145,-55.005 -20.22,-54.93 -20.22,-54.63 -19.845,-54.255
GND on Bottom Layer "GND_L06_P048" (solid, pour order 48): -53.125,-64.45 -53.65,-64.45 -53.775,-64.575 -53.775,-65.25 -53.425,-65.6 -53.05,-65.6 -53,-65.55 -53,-64.575
DVDD10_1 on Bottom Layer "DVDD10_1_L06_P047" (solid, pour order 47): -52.75,-63.65 -52.35,-63.65 -52.25,-63.75 -52.25,-65.75 -52.45,-65.95 -52.725,-65.95 -52.8,-65.875 -52.8,-63.7
GND on Bottom Layer "GND_L06_P046" (solid, pour order 46): -54.825,-67.975 -55.05,-68.2 -55.05,-68.5 -54.825,-68.725 -54.14,-68.725 -53.99,-68.575 -54,-68.565 -54,-68.275 -54.3,-67.975
GND on Bottom Layer "GND_L06_P045" (solid, pour order 45): -53.325,-69.9 -53.1,-70.125 -53.1,-70.525 -53.225,-70.65 -54.2,-70.65 -54.275,-70.575 -54.275,-70.275 -53.9,-69.9
GND on Layer 4 "GND_L04_P153" (solid, remove dead copper, pour order 153): -20,-0.5 -19.5,-1 -19.5,-30 -17,-32.5 -4.75,-32.5 -3.25,-34 -1,-34 -0.5,-34.5 -0.5,-90 -1,-90.5 -90.75,-90.5 -91.5,-89.75 -91.5,-1 -91,-0.5
+VDD_3V3 on Layer 4 "+VDD_3V3_L04_P137" (solid, pour order 137): -37.2,-14.6 -37.9,-14.6 -38.4,-15.1 -45.5,-15.1 -47.6,-13 -47.6,-8.8 -48.1,-8.3 -48.9,-8.3 -49.4,-8.8 -49.4,-13.6 -45.6,-17.4 -37.7,-17.4 -37,-16.7 -37,-14.8
AGND_AUD on Layer 4 "AGND_AUD_L04_P088" (solid, pour order 88): -18.5,-0.5 -19,-1 -19,-25.75 -17.75,-27 -17.75,-30.75 -16.5,-32 -4.5,-32 -3,-33.5 -1,-33.5 -0.5,-33 -0.5,-7.5 -1.5,-6.5 -6,-6.5 -8,-4.5 -8,-1 -8.5,-0.5
PHY2_VDD1V0 on Layer 4 "PHY2_VDD1V0_L04_P096" (solid, pour order 96): -20.3,-48.3 -19.6,-48.3 -19.2,-48.7 -19.2,-56.2 -17.677,-57.723 -14.177,-57.723 -13.9,-58 -13.9,-58.4 -14.1,-58.6 -18.6,-58.6 -20.7,-56.5 -20.7,-48.7
+VDD_3V3 on Layer 4 "+VDD_3V3_L04_P131" (solid, pour order 131): -46.25,-72.5 -45.75,-72.5 -45.5,-72.75 -45.5,-74.25 -46.5,-74.25 -46.5,-72.75
+AVDD1_1_GBE on Layer 4 "+AVDD1_1_GBE_L04_P130" (solid, pour order 130): -46.075,-66.4 -46.575,-66.4 -48.575,-68.4 -48.575,-72.65 -47.575,-73.65 -47.075,-73.65 -46.825,-73.4 -46.825,-69.9 -45.825,-68.9 -45.825,-66.65
+AVDD2_1_GBE on Layer 4 "+AVDD2_1_GBE_L04_P129" (solid, pour order 129): -12,-50.75 -12.25,-50.75 -14.5,-53 -14.5,-57 -13.5,-58 -13,-58 -12.75,-57.75 -12.75,-54.25 -11.75,-53.25 -11.75,-51
+VDD_3V3 on Layer 4 "+VDD_3V3_L04_P128" (solid, pour order 128): -69,-70.25 -61,-70.25 -57,-74.25 -45,-74.25 -44,-73.25 -44,-66 -40.75,-62.75 -14.75,-62.75 -12.5,-60.5 -12.5,-57.25 -12,-56.75 -11.5,-56.75 -11,-57.25 -11,-63 -13.75,-65.75 -40.25,-65.75 -42.25,-67.75 -42.25,-73.75 -45.25,-76.75 -67.05,-76.75 -69,-74.8
+VDD_1V8 on Layer 4 "+VDD_1V8_L04_P121" (solid, pour order 121): -66.5,-44.9 -66.25,-45.15 -66.25,-46.075 -66.425,-46.25 -67.45,-46.25 -67.75,-45.95 -67.75,-45.175 -67.475,-44.9
+1V2_HDMI_AVCC on Layer 4 "+1V2_HDMI_AVCC_L04_P109" (solid, pour order 109): -74.9,-19.1 -74.7,-19.3 -74.7,-19.8 -74.8,-19.9 -77.8,-19.9 -78.3,-20.4 -82.6,-20.4 -82.8,-20.2 -82.8,-19.3 -82.6,-19.1
+VDD_3V3 on Layer 4 "+VDD_3V3_L04_P029" (solid, pour order 29): -73.9,-54.5 -74.8,-55.4 -74.8,-62.4 -75.8,-63.4 -83.4,-63.4 -88.3,-68.3 -88.3,-73.9 -87.3,-74.9 -68.9,-74.9 -67.5,-73.5 -67.5,-67.4 -67.5,-55.2 -68.2,-54.5
GND on Layer 1 "GND_L02_P150" (solid, pour order 150): -20,-0.5 -19.5,-1 -19.5,-30 -17,-32.5 -4.75,-32.5 -3.25,-34 -1,-34 -0.5,-34.5 -0.5,-90 -1,-90.5 -90.75,-90.5 -91.5,-89.75 -91.5,-1 -91,-0.5
AGND_AUD on Layer 1 "AGND_AUD_L02_P147" (solid, pour order 147): -18.5,-0.5 -19,-1 -19,-25.75 -17.75,-27 -17.75,-30.75 -16.5,-32 -4.5,-32 -3,-33.5 -1,-33.5 -0.5,-33 -0.5,-7.5 -1.5,-6.5 -6,-6.5 -8,-4.5 -8,-1 -8.5,-0.5
GND on Layer 2 "GND_L05_P149" (solid, remove dead copper, pour order 149): -20,-0.5 -19.5,-1 -19.5,-30 -17,-32.5 -4.75,-32.5 -3.25,-34 -1,-34 -0.5,-34.5 -0.5,-90 -1,-90.5 -90.75,-90.5 -91.5,-89.75 -91.5,-1 -91,-0.5
AGND_AUD on Layer 2 "AGND_AUD_L05_P148" (solid, pour order 148): -18.5,-0.5 -19,-1 -19,-25.75 -17.75,-27 -17.75,-30.75 -16.5,-32 -4.5,-32 -3,-33.5 -1,-33.5 -0.5,-33 -0.5,-7.5 -1.5,-6.5 -6,-6.5 -8,-4.5 -8,-1 -8.5,-0.5

## Keep-outs
Keep-Out Layer:
  lines w0.1: -41,-43 -32,-43 ; -32,-43 -32,-52 -42,-52 -42,-43 -32,-43
  lines w0.2: -92,-91 0,-91 0,0 -92,0 -92,-91

## Other copper
Top Layer:
  pour cut-out: -16,-26 -8,-26 -8,-32.5 -16,-32.5
  region net +VDD_3V3: -17.5,-24.1 -17.225,-24.375 -17.225,-24.625 -17.3,-24.7 -18.1,-24.7 -18.3,-24.5 -18.3,-24.2 -18.2,-24.1

## Text inside footprints (layer, text, board x,y; h text height)
J301: Mechanical 1 "plastic may go over the board edge" at -84.3,-14.525 h0.5 r90; Mechanical 1 "doesnt fit on one place. Bottom" at -85.5,-14.425 h0.5 r90; Mechanical 1 "NOTE: Holes are big and connector" at -86.7,-14.425 h0.5 r90
J701: Mechanical 13 "PCB EDGE" at -74.5,-90.6 h0.41
J801: Mechanical 49 "1" at -17.3,-2.463 h0.25 r180; Mechanical 49 "2" at -17.3,-14.79 h0.25 r180; Mechanical 49 "4" at -17.3,-5.263 h0.25 r180; Mechanical 49 "3" at -9.79,-7.324 h0.25 r180
TP801: Mechanical 49 "1" at -1.562,-32.16 h0.25
TP802: Mechanical 49 "1" at -1.39,-29.262 h0.25 r90
TP803: Mechanical 49 "1" at -1.39,-26.337 h0.25 r90
TP804: Mechanical 49 "1" at -6.115,-28.483 h0.25 r90
TP805: Mechanical 49 "1" at -6.115,-26.983 h0.25 r90
TP806: Mechanical 49 "1" at -12.215,-23.908 h0.25 r90
TP807: Mechanical 49 "1" at -12.79,-36.083 h0.25 r90
TP808: Mechanical 49 "1" at -13.415,-23.908 h0.25 r90
TP809: Mechanical 49 "1" at -13.64,-34.608 h0.25 r90
TP810: Mechanical 49 "1" at -14.315,-36.083 h0.25 r90
TP811: Mechanical 49 "1" at -15.015,-34.583 h0.25 r90
TP812: Mechanical 49 "1" at -19.115,-31.483 h0.25 r90
TP813: Mechanical 49 "1" at -19.115,-29.983 h0.25 r90
TP814: Mechanical 49 "1" at -8.69,-35.508 h0.25 r90
TP815: Mechanical 49 "1" at -7.39,-35.508 h0.25 r90
U802: Mechanical 49 "2" at -15.775,-37.977 h0.25 r270; Mechanical 49 "4" at -14.325,-39.827 h0.25 r270; Mechanical 49 "3" at -14.325,-37.977 h0.25 r270; Mechanical 49 "1" at -15.775,-39.827 h0.25 r270